# Allegro board RV1106G_COREDLOC_SL_V12_20220907LXF.brd (continued)
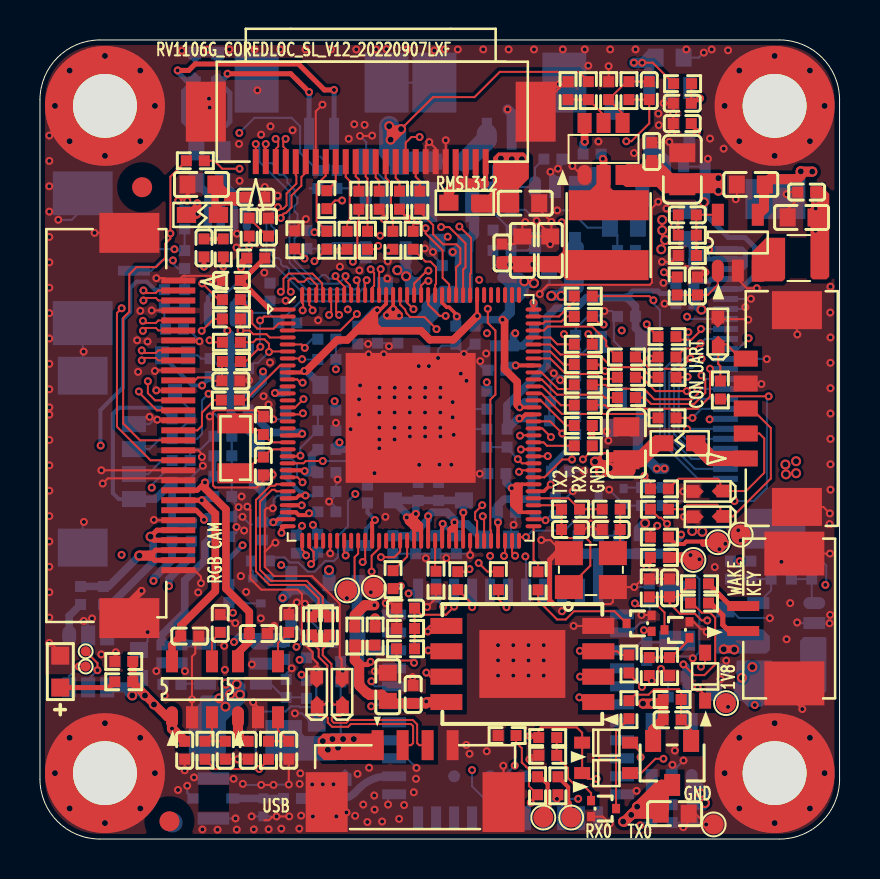
[diagram p0: board, top side]
## Routing (per net, layer and track width the routed paths; a pad name or vN(x,y) marks a point on that pad's centre or on a via; arc(x,y) is an arc through that point) (continued)
HI3861L_UART0_RX: length 4.8
  TOP w0.102: v1(24.55,1.82) 24.89,2.16 R6010.1 24.46,2.65 24.46,3.48 24.33,3.61 24.1,3.84 24.1,4.55 23.82,4.83 R8222.1
  BOTTOM w0.102: v1(24.55,1.82) 24.32,1.59 U6000.38
HI3861L_UART0_TX: length 1.3
  BOTTOM w0.102: v1(25.86,2.01) 25.81,1.96 25.67,1.96 25.67,1.83 25.22,1.38 U6000.37
HI3861L_WAKE_DET: length 10.4
  TOP w0.102: v1(29.76,11.8) 29.89,11.67 30.91,11.67 31.24,11.34 Q2620.3 ; U1000.63 23.62,14.34 v1(23.77,14.18)
  L3_POW w0.102: v1(23.77,14.18) 23.77,14.1 24.3,13.57 27.99,13.57 v1(29.76,11.8)
HI3861L_WAKE_SOCPWR: length 21.9
  TOP w0.102: D2605.1 29.56,4.83 30.05,4.34 v1(30.05,4.1)
  L3_POW w0.102: v1(30.05,4.1) 30.05,4.88 31.23,6.07 31.23,7.29 v1(30.6,7.92) 30.48,8.05 29.99,8.05 28.59,6.65 21.25,6.65 20.49,7.41 20.49,11.31 v1(20.17,11.63)
  BOTTOM w0.102: U6000.13 19.82,11.98 v1(20.17,11.63)
HW_ID: length 3.3
  TOP w0.102: v1(13.03,19.19) 13,19.16 U1000.22
  BOTTOM w0.102: R1206.2 R1207.1 13.03,19.57 v1(13.03,19.19)
I2C3_SCL_M2_DLOC: length 11.4
  TOP w0.102: R4502.1 15.12,29.52 15.04,29.45 v1(14.99,29.45) ; U1000.6 13.08,24.76 v1(13.25,24.59)
  L3_POW w0.102: v1(13.25,24.59) 14.75,24.59 16.24,26.08 16.24,26.63 15.69,27.18 14.54,27.18 14.11,27.61 14.11,29.08 14.42,29.4 14.93,29.4 v1(14.99,29.45)
  BOTTOM w0.102: v1(13.25,24.59) 13.25,24.66 13.61,25.02 R1306.2
I2C3_SDA_M2_DLOC: length 14.4
  TOP w0.102: v1(13.11,24.02) 13.06,24.02 13.02,24.06 U1000.8 ; R4503.1 15.95,30.96 15.88,30.89 15.88,29.12 v1(15.66,28.9)
  L3_POW w0.102: v1(15.66,28.9) 15.66,28.9 15.52,29.04 14.49,29.04 14.35,28.9 14.35,27.7 14.62,27.43 15.77,27.43 16.48,26.72 16.48,25.94 14.89,24.35 13.54,24.35 13.4,24.21 13.38,24.21 13.19,24.02 v1(13.11,24.02)
  BOTTOM w0.102: v1(13.11,24.02) 13.13,24 R1305.2
I2C4_SCL_M2_RGB: length 4.2
  TOP w0.102: U1000.5 11.49,25.11 11.33,25.27 10.67,25.27 10.49,25.45 v1(10.03,25.45) 10.03,25.46 R4700.1
  BOTTOM w0.102: v1(10.03,25.45) 10.43,25.05 R1303.2
I2C4_SDA_M2_RGB: length 4.3
  TOP w0.102: U1000.7 11.58,24.41 11.56,24.38 v1(11.46,24.38) 11.46,24.79 11.23,25.02 10.82,25.02 10.67,24.87 R4701.1
  BOTTOM w0.102: R1302.2 10.71,23.83 10.9,23.83 v1(11.46,24.38)
IR_CAM_FSYNC: length 8.2
  TOP w0.102: v1(17.2,31.04) 17.2,31.3 R4505.1 ; v1(20.07,30.63) 20.47,30.63 21.29,29.82 21.29,28.63 21.17,28.51 U1000.105
  L4_SIG w0.102: v1(17.2,31.04) 17.52,31.04 18.39,30.18 19.61,30.18 v1(20.07,30.63)
IR_CAM_RST: length 5.7
  TOP w0.102: v1(19.29,30.58) 19.29,30.32 20.14,29.46 20.14,28.09 20.47,27.77 U1000.107 ; R4507.1 17.98,31.47 v1(18.36,31.09)
  L4_SIG w0.102: v1(19.29,30.58) 19.27,30.56 18.9,30.56 18.89,30.56 18.72,30.56 18.49,30.78 18.49,30.96 v1(18.36,31.09)
IR_CAM_STROBE: length 12.5
  TOP w0.102: U1000.15 12.77,21.61 v1(13.18,22.02) ; R4506.1 17.48,29.52 v1(17.41,29.46)
  L3_POW w0.102: v1(13.18,22.02) 14.22,23.06 14.22,23.5 14.78,24.05 15.04,24.05 16.79,25.81 18.03,25.81 18.36,26.14 18.36,26.85 18.69,27.18 18.69,28.42 17.66,29.46 v1(17.41,29.46)
IR_CUT-: length 7.1
  TOP w0.254: 5.5,14.19 5.73,13.96 J4700.29 ; J4700.28 5.79,14.46 5.52,14.19
  TOP w0.508: v2(4.97,14.19) 5.52,14.19
  BOTTOM w0.381: R4704.2 C4705.2 3.43,12.64 v2(4.97,14.19)
IRC_AIN: length 30.9
  TOP w0.102: U1000.78 24.03,20.21 v1(24.02,20.19) ; v1(2.88,8.45) 2.88,8.81 TP4701.1
  L4_SIG w0.102: v1(24.02,20.19) 22.56,20.19 21.56,19.19 18.75,19.19 14.77,15.21 12.85,15.21 11.97,14.33 6.04,14.33 4.21,12.49 4.21,9.1 3.56,8.45 v1(2.88,8.45)
  BOTTOM w0.102: v1(2.88,8.45) 2.41,7.99 U4700.5
IRC_BIN: length 31.3
  TOP w0.102: U1000.76 24.06,19.51 v1(24.06,19.5) ; TP4700.1 1.94,8.64 v1(1.94,8.64)
  L4_SIG w0.102: v1(24.06,19.5) 22.24,19.5 21.05,18.3 18.2,18.3 14.86,14.97 12.94,14.97 12.05,14.07 6.16,14.07 4.48,12.39 4.48,8.99 3.55,8.07 2.51,8.07 v1(1.94,8.64)
  BOTTOM w0.102: v1(1.94,8.64) 1.46,8.16 U4700.6
IRCUTA: length 9.3
  TOP w0.254: J4700.27 5.71,14.96 v2(5.53,15.14) 5.85,15.46 J4700.26
  BOTTOM w0.381: U4700.3 3.36,11.55 C4705.1 3.54,11.74 5.67,13.86 5.67,15 v2(5.53,15.14)
IRCUTB: length 1.8
  BOTTOM w0.381: R4704.1 1.46,11.17 U4700.1
LCD_CLK: length 2.4
  TOP w0.102: U1000.85 25.12,22.66 26.06,21.72 R5011.1
LCD_CSN: length 6.1
  TOP w0.102: R5010.2 30.25,22.1 30.57,21.78 32.73,21.78 33.28,22.33 33.28,23.02 v1(33.09,23.21)
  BOTTOM w0.102: J5000.11 33.27,23.03 v1(33.09,23.21)
LCD_D0: length 6.7
  TOP w0.102: U1000.84 25.08,22.31 26.11,21.28 30.33,21.28 30.53,21.08 R5001.1
LCD_D1: length 2.6
  TOP w0.102: U1000.83 25.05,21.96 26.31,20.7 R5007.1
LCD_D2: length 2.3
  TOP w0.102: U1000.90 25.53,24.41 26.19,23.75 R5006.1
LCD_D3: length 6.9
  TOP w0.102: R5005.1 30.58,23.11 30.08,23.62 28.6,23.62 27.97,24.25 26.04,24.25 25.53,24.76 U1000.91
LCD_D4: length 2.2
  TOP w0.102: R5004.1 25.88,24.77 25.54,25.11 U1000.92
LCD_D5: length 5.1
  TOP w0.102: R5003.1 28.33,24.69 28.33,24.95 27.62,25.65 25.4,25.65 25.2,25.46 U1000.93
LCD_D6: length 2.2
  TOP w0.102: U1000.94 25.17,25.81 25.27,25.91 26.09,25.91 26.34,26.16 R5002.1
LCD_D7: length 2.6
  TOP w0.102: U1000.95 25.96,26.16 26.3,26.5 26.3,26.5 26.39,26.59 26.39,26.59 26.73,26.92 R5000.1
LCD_DEN: length 4.6
  TOP w0.102: U1000.89 25.52,24.06 26.3,23.28 27.86,23.28 28.1,23.04 28.81,23.04 R5008.1
LCD_HSYNC: length 2.5
  TOP w0.102: R5009.1 26.52,22.53 25.92,22.53 25.09,23.36 U1000.87
LCD_PWM_BL: length 2.1
  TOP w0.102: U1000.77 25.19,19.86 25.37,19.68 R5012.1
LCD_PWREN_H: length 24.1
  TOP w0.102: v1(22.4,26.54) 22.4,25.83 22.78,25.45 22.78,22.25 22.53,22 22.53,15.47 22.57,15.43 U1000.60 ; v1(30.36,25.77) 30.36,25.71 R5014.1
  L3_POW w0.102: v1(21.97,27.99) 22.78,27.18 23.67,27.18 24.33,26.52 26.01,26.52 26.49,27 29.13,27 v1(30.36,25.77)
  L4_SIG w0.102: v1(22.4,26.54) 21.97,26.97 v1(21.97,27.99)
LCD_RDN: length 5
  TOP w0.102: v1(32.36,22.42) 30.79,22.42 30.1,23.11 R5008.2
  BOTTOM w0.102: v1(32.36,22.42) 32.75,22.03 J5000.9
LCD_RS: length 8.4
  TOP w0.102: R5011.2 28.27,21.72 28.45,21.54 32.91,21.54 33.52,22.15 v1(33.52,23.54)
  BOTTOM w0.102: v1(33.52,23.54) 33.53,23.53 J5000.12
LCD_RST_L: length 11
  TOP w0.102: U1000.72 25.23,18.11 26.13,19 v1(26.62,19) ; v1(30.52,24.05) 30.6,24.13 R5013.1
  L3_POW w0.102: v1(26.62,19) 26.76,19.14 26.76,22.93 27.96,24.13 30.45,24.13 v1(30.52,24.05)
LCD_VSYNC: length 4.6
  TOP w0.102: U1000.86 25.1,23.01 25.87,22.24 28.1,22.24 28.24,22.1 R5010.1
LCD_WRN: length 7.3
  TOP w0.102: R5009.2 28.3,22.73 28.48,22.54 30.21,22.54 30.73,22.02 32.63,22.02 32.9,22.29 32.9,22.52 v1(32.89,22.53)
  BOTTOM w0.102: v1(32.89,22.53) J5000.10
LI-VBAT: length 1.9
  BOTTOM w1.016: J2502.1 22.35,35.01 FB2510.2
LINEOUT: length 24.8
  TOP w0.203: U1000.29 v1(13.09,16.71) ; C7002.1 v1(8.2,28.65)
  L3_POW w0.203: v1(8.2,28.65) 7.37,28.65 7,28.29 6.23,28.29 5.96,28.57 4.5,28.57 3.47,27.54 3.47,22.24 4.1,21.61 9.77,21.61 11.27,20.11 11.27,19.26 12.31,18.22 12.31,17.47 13.07,16.71 v1(13.09,16.71)
MCU_WAKE/EN_PWR: length 31.6
  TOP w0.102: v1(31.19,4.02) 30.79,4.02 30.07,3.3 D2600.1 ; R2520.1 34.37,22.03 34.5,22.16 v1(36.45,22.16)
  L3_POW w0.102: v1(31.19,4.02) 31.19,4.54 32.79,6.15 34.6,6.15 36.13,7.67 36.13,16.07 35.28,16.92 v1(34.74,16.92)
  BOTTOM w0.102: v1(36.45,22.16) 36.37,22.08 36.37,17.58 35.7,16.92 v1(34.74,16.92) 32.03,16.92 31.81,16.69 R2623.1
MCU_WAKE_DET: length 4.9
  TOP w0.102: v1(24.31,15.11) 24.07,15.11 23.97,15.01 U1000.64
  BOTTOM w0.102: v1(24.31,15.11) 24.64,15.44 26.25,15.44 Q2621.3
MIC0_N: length 1.3
  TOP w0.102: v1(13.31,14.2) 13.31,14.3 13.12,14.49 U1000.33
  BOTTOM w0.102: C1001.1 13.2,14.31 v1(13.31,14.2)
MIC0_P: length 2
  TOP w0.102: v1(13.56,13.77) 13.69,13.89 13.69,14.38 13.47,14.6 U1000.34
  BOTTOM w0.102: C1000.1 13.89,14.1 v1(13.56,13.77)
MICIN_N: length 29.2
  L3_POW w0.102: v1(6.72,29.52) 6.55,29.35 4.03,29.35 2.6,27.93 2.6,21.69 3.95,20.34 9.88,20.34 10.46,19.76 10.46,18.32 v1(13.11,15.68)
  BOTTOM w0.102: C1001.2 12.83,15.4 v1(13.11,15.68) ; J7001.2 5.76,29.7 5.93,29.52 v1(6.72,29.52) 6.79,29.46 C7008.2 R7004.1
MICIN_P: length 29.3
  L3_POW w0.102: v1(13.66,15.73) 13.59,15.73 13.26,16.06 13.06,16.06 10.7,18.42 10.7,19.86 9.97,20.58 4.05,20.58 2.84,21.78 2.84,27.83 4.13,29.12 6.5,29.12 v1(6.65,28.96)
  BOTTOM w0.102: v1(13.66,15.73) 13.89,15.49 C1000.2 ; R7003.1 C7008.1 6.9,28.56 6.65,28.81 v1(6.65,28.96) 6.08,28.96 5.57,28.45 J7001.1
MIPI/LVDS_CLK0N: length 13.2
  TOP w0.097: v1(12.05,27.39) 12.08,27.39 12.18,27.49 12.18,28.05 12.44,28.31 13.63,28.31 14.12,27.82 14.12,27.28 U1000.125 ; v1(5.18,26.96) 5.3,27.08 5.8,27.08 5.92,26.96 J4700.3
  L3_POW w0.097: v1(5.18,26.96) 5.3,27.08 7.78,27.08 7.89,27.19 11.15,27.19 11.74,27.77 12.08,27.77 12.18,27.68 12.18,27.49 12.08,27.39 v1(12.05,27.39)
MIPI/LVDS_CLK0P: length 13.1
  TOP w0.097: J4700.2 5.92,27.46 5.8,27.33 5.3,27.33 v1(5.18,27.46) ; U1000.126 13.87,27.28 13.87,27.71 13.52,28.06 13.37,28.06 13.21,27.9 12.91,27.9 12.75,28.06 12.54,28.06 12.43,27.94 12.43,27.49 12.52,27.39 v1(12.55,27.39)
  L3_POW w0.097: v1(12.55,27.39) 12.53,27.39 12.42,27.5 12.42,27.78 12.18,28.02 11.63,28.02 11.05,27.44 10.79,27.44 10.64,27.59 10.39,27.59 10.24,27.44 9.98,27.44 9.83,27.59 9.58,27.59 9.42,27.44 7.79,27.44 7.68,27.33 5.3,27.33 v1(5.18,27.46)
MIPI/LVDS_CLK1N: length 12.7
  TOP w0.097: v1(16.34,27.98) 16.35,27.98 16.27,27.9 U1000.119 ; J4500.5 12.79,33.22 12.83,33.19 12.83,32.81 12.34,32.32 12.34,31.72 12.17,31.56 12.07,31.53 v1(11.9,31.63)
  BOTTOM w0.097: v1(16.34,27.98) 16.22,27.85 16.22,27.61 15.87,27.26 13.22,27.26 11.33,29.15 11.33,31.06 v1(11.9,31.63)
MIPI/LVDS_CLK1P: length 12.6
  TOP w0.097: U1000.120 15.92,27.9 15.85,27.98 v1(15.84,27.98) ; v1(12.05,31.09) 12.17,31.3 12.3,31.34 12.58,31.62 12.58,32.21 13.08,32.7 13.08,33.13 13.29,33.35 J4500.6
  BOTTOM w0.097: v1(15.84,27.98) 15.97,27.85 15.97,27.71 15.76,27.51 15.58,27.51 15.42,27.67 15.26,27.67 15.1,27.51 13.33,27.51 12.45,28.38 12.45,28.54 12.33,28.66 12.17,28.66 12.06,28.78 12.06,28.96 11.93,29.09 11.75,29.09 11.58,29.25 11.58,29.36 11.75,29.53 11.75,29.75 11.58,29.92 11.58,30.14 11.73,30.29 11.73,30.55 11.58,30.7 11.58,30.95 11.81,31.19 11.95,31.19 v1(12.05,31.09)
MIPI/LVDS_D0N: length 12.1
  TOP w0.097: v1(13.64,26.46) 13.64,26.57 13.47,26.74 U1000.127 ; J4700.6 5.92,25.46 5.8,25.58 5.29,25.58 v1(5.15,25.44)
  L3_POW w0.097: v1(5.15,25.44) 5.29,25.58 6.42,25.58 6.93,26.09 8.48,26.09 8.75,26.36 11.48,26.36 11.94,25.89 13.24,25.89 13.48,26.13 13.48,26.3 v1(13.64,26.46)
MIPI/LVDS_D0P: length 12.1
  TOP w0.097: U1000.128 13.12,26.83 13.17,26.78 13.17,26.49 v1(13.14,26.46) ; J4700.5 5.92,25.96 5.8,25.83 5.26,25.83 v1(5.15,25.94)
  L3_POW w0.097: v1(13.14,26.46) 13.23,26.37 13.23,26.24 13.13,26.14 12.88,26.14 12.73,26.29 12.47,26.29 12.32,26.14 12.04,26.14 11.58,26.6 11.33,26.6 11.17,26.76 10.92,26.76 10.77,26.6 10.51,26.6 10.36,26.76 10.11,26.76 9.95,26.6 9.7,26.6 9.55,26.76 9.29,26.76 9.14,26.6 8.64,26.6 8.38,26.34 6.83,26.34 6.32,25.83 5.26,25.83 v1(5.15,25.94)
MIPI/LVDS_D1N: length 14
  TOP w0.097: J4700.9 5.92,23.96 5.8,24.08 5.22,24.08 v1(5.09,23.96) ; U1000.123 14.82,27.18 14.82,26.38 v1(14.96,26.24)
  L3_POW w0.097: v1(14.96,26.24) 14.84,26.11 14.84,25.85 14.26,25.27 10.95,25.27 9.76,24.08 5.22,24.08 v1(5.09,23.96)
MIPI/LVDS_D1P: length 13.9
  TOP w0.097: v1(5.09,24.46) 5.22,24.33 5.8,24.33 5.92,24.46 J4700.8 ; U1000.124 14.57,27.18 14.57,26.33 14.47,26.24 v1(14.46,26.24)
  L3_POW w0.097: v1(5.09,24.46) 5.22,24.33 6.55,24.33 6.7,24.48 6.95,24.48 7.11,24.33 7.36,24.33 7.51,24.48 7.77,24.48 7.92,24.33 8.17,24.33 8.33,24.48 8.58,24.48 8.73,24.33 9.65,24.33 10.84,25.52 14.16,25.52 14.59,25.95 14.59,26.11 v1(14.46,26.24)
MIPI/LVDS_D2N: length 12
  TOP w0.097: v1(15.29,28.18) 15.29,27.95 15.52,27.72 15.52,27.58 15.57,27.53 U1000.121 ; v1(10.79,34.79) J4500.1
  BOTTOM w0.097: v1(15.29,28.18) 15.21,28.18 15.16,28.13 15.16,28.03 14.94,27.81 14.83,27.81 14.83,27.8 13.53,27.8 12.48,28.86 12.48,32.4 10.97,33.91 10.97,34.59 10.95,34.64 v1(10.79,34.79)
MIPI/LVDS_D2P: length 12
  TOP w0.097: v1(14.79,28.18) 14.79,28.1 15.27,27.61 15.27,27.58 15.22,27.53 U1000.122 ; J4500.2 11.29,34.54 11.24,34.6 11.24,34.73 v1(11.3,34.79)
  BOTTOM w0.097: v1(11.3,34.79) 11.22,34.72 11.22,34.01 11.4,33.83 11.62,33.83 11.79,33.65 11.79,33.44 11.97,33.26 12.19,33.26 12.37,33.08 12.37,32.86 12.73,32.5 12.73,32.24 12.88,32.09 12.88,31.84 12.73,31.69 12.73,31.43 12.88,31.28 12.88,31.03 12.73,30.87 12.73,30.62 12.88,30.47 12.88,30.21 12.73,30.06 12.73,29.81 12.88,29.65 12.88,29.4 12.73,29.25 12.73,28.96 13.64,28.05 13.94,28.05 14.11,28.23 14.28,28.23 14.46,28.05 14.69,28.05 14.79,28.15 v1(14.79,28.18)
MIPI/LVDS_D3N: length 14.1
  TOP w0.097: v1(11.79,35.05) 11.92,34.92 11.92,34.67 11.79,34.54 J4500.3 ; v1(17.04,28.53) 16.97,28.45 U1000.117
  L3_POW w0.097: v1(17.04,28.53) 16.92,28.66 16.92,28.99 14.23,31.67 14.23,35.31 13.37,36.17 12.37,36.17 11.91,35.72 11.91,35.17 v1(11.79,35.05)
MIPI/LVDS_D3P: length 14
  TOP w0.097: v1(12.29,35.05) 12.17,34.93 12.17,34.66 12.29,34.54 J4500.4 ; v1(16.54,28.52) 16.72,28.34 16.72,27.7 16.62,27.6 U1000.118
  L3_POW w0.097: v1(16.54,28.52) 16.67,28.64 16.67,28.89 15.71,29.84 15.49,29.84 15.31,30.02 15.31,30.24 15.13,30.42 14.92,30.42 14.74,30.6 14.74,30.81 14.56,30.99 14.34,30.99 14.17,31.17 14.17,31.39 13.99,31.57 13.99,32.77 13.93,32.83 13.93,33.27 13.99,33.33 13.99,33.58 13.83,33.74 13.83,33.99 13.99,34.14 13.99,34.4 13.83,34.55 13.83,34.8 13.99,34.95 13.99,35.21 13.27,35.92 12.47,35.92 12.16,35.61 12.16,35.17 v1(12.29,35.05)
MIPI/LVDS_MCLK0: length 4.1
  TOP w0.102: v1(11.01,25.96) 11.21,26.16 U1000.2 ; R4706.1 10.29,23.9 v1(11.02,24.64)
  BOTTOM w0.102: v1(11.02,24.64) 11.01,24.65 v1(11.01,25.96)
MIPI/LVDS_MCLK1: length 8.9
  TOP w0.102: R4500.1 14.33,29.52 v1(13.73,28.93) ; v1(15.85,26.28) 15.03,25.46 U1000.4
  L3_POW w0.102: v1(15.85,26.28) 15.89,26.32 15.89,26.59 15.56,26.93 14.46,26.93 13.72,27.67 13.72,28.91 v1(13.73,28.93)
MIPI_CLK0_RGB: length 3.3
  TOP w0.102: J4700.11 7.75,22.96 7.9,23.1 8.51,23.1 8.68,22.94 C4707.1 9.1,23.88 R4706.2
MIPI_CSI_AVDD_1V8: length 4.7
  TOP w0.203: U1000.1 11.48,26.51
  TOP w0.254: R1304.1 10.28,28.12 10.18,28.12 C1302.1 11.48,26.51
MIPI_CSI_PWDN0: length 3.1
  TOP w0.102: U1000.9 12.01,23.71 10.27,21.97 R4702.1
MIPI_CSI_RST0: length 3.4
  TOP w0.102: U1000.3 11.94,25.81 11.68,25.55 10.88,25.55 10.62,25.81 10.62,26.41 R4703.1
MIPIDLOC_PWREN: length 23.5
  TOP w0.102: U1000.75 25.39,19.16 v1(25.4,19.17) ; R4504.1 16.75,29.52 v1(16.92,29.69)
  L4_SIG w0.102: v1(25.4,19.17) 25.13,19.44 25.13,22.29 24.48,22.93 23.43,22.93 23.09,23.27 23.09,24.33 22.69,24.73 22.27,24.73 21.54,25.46 21.54,26.39 21.07,26.86 19.14,26.86 18.87,27.12 15.1,27.12 14.28,27.95 14.28,29.64 14.64,30.01 16.6,30.01 v1(16.92,29.69)
Net_2: length 2
  BOTTOM w0.102: 34.29,26.03 32.47,26.03 32.37,26.14 v1(32.37,26.15)
NPOR: length 1.8
  TOP w0.102: U1000.66 25.24,16.01 v1(25.29,15.96)
  BOTTOM w0.102: R1102.2 24.97,16.19 25.19,15.96 v1(25.29,15.96) 25.52,16.19 C1106.1
PIR_DLINK_OUT: length 2.2
  BOTTOM w0.102: R8202.1 6.1,18.95 5.42,18.27 J8200.2
PIR_SERIAL_IN: length 5.1
  BOTTOM w0.102: Q8200.3 6.76,22.25 7.51,21.5 R8218.2 7.51,21 6.61,20.1 R8204.1 6,20.04 5.48,19.52 J8200.3
POW_HOLD: length 14.1
  TOP w0.102: v1(23.22,14.17) 23.27,14.22 U1000.62 ; v1(33.07,8.63) 33.27,8.83 D2603.1
  L3_POW w0.102: v1(33.07,8.63) 33.07,9.33 31.56,10.84 29.92,10.84 27.46,13.3 24.09,13.3 v1(23.22,14.17)
PRO_PD_DET: length 17.9
  TOP w0.102: R4501.1 14.76,31.97 v1(15.11,31.97) ; U1000.16 13.1,21.26 v1(13.16,21.31)
  L3_POW w0.102: v1(15.11,31.97) 15.63,31.97 16.99,30.61 17.3,30.61 19.02,28.88 19.02,25.45 17.4,23.83 15.67,23.83 v1(13.16,21.31)
RECOVERY: length 3.6
  TOP w0.102: U1000.23 12.86,18.81 12.87,18.81 13.18,18.81 13.29,18.92 v1(14.15,18.92)
  BOTTOM w0.102: v1(14.15,18.92) 15.36,18.92 15.5,18.79 R1205.1
RGB_CAM_FSYNC: length 25.1
  TOP w0.102: R4705.1 8.72,33.95 9.12,33.55 v1(9.98,33.55) ; U1000.104 21.52,28.29 21.56,28.34 21.56,30.08 20.99,30.66 v1(20.98,30.66)
  L4_SIG w0.102: v1(9.98,33.55) 9.3,34.24 9.3,35.79 9.88,36.37 19.81,36.37 20.98,35.2 v1(20.98,30.66)
RK803_EN1_FLOOD: length 5.6
  TOP w0.102: U1000.106 20.82,28.61 21.03,28.83 21.03,29.57 20.83,29.77 20.17,29.77 19.67,30.27 19.67,30.73 19,31.4 R4509.1
RK803_EN2_PRO: length 2.9
  TOP w0.102: U1000.109 19.77,27.74 19.81,27.79 19.81,28.63 19.53,28.91 19.29,28.91 R4508.1
SDIO_CLK: length 1.9
  TOP w0.102: v1(23.34,11.61) 22.93,12.01 R6007.2
  BOTTOM w0.102: v1(23.34,11.61) 23.42,11.69 U6000.17
SDIO_CMD: length 25.1
  TOP w0.102: U1000.112 18.72,27.81 19.35,28.45 v1(19.43,28.45)
  L3_POW w0.102: v1(22.52,14.17) 21.83,14.86 18.44,14.86 17.68,15.62 17.68,18.9 18.54,19.76 20.85,19.76 21.08,19.99 21.08,22.17 20.35,22.91 20.35,25.58 19.89,26.04 19.89,27.38 19.94,27.43 19.94,27.99 19.48,28.45 v1(19.43,28.45)
  BOTTOM w0.102: v1(22.52,14.17) U6000.16
SDIO_D0: length 24.1
  TOP w0.102: U1000.110 19.42,26.76 19.99,26.19 v1(20.29,26.19)
  L3_POW w0.102: v1(24.28,14.15) 24.28,14.25 23.95,14.58 22.53,14.58 21.97,15.14 18.54,15.14 17.96,15.72 17.96,18.72 18.67,19.43 21.06,19.43 21.44,19.81 21.44,22.28 20.65,23.06 20.65,25.65 20.29,26.01 v1(20.29,26.19)
  BOTTOM w0.102: v1(24.28,14.15) 24.32,14.11 U6000.18
SPK_CTRL: length 10
  TOP w0.102: v1(18.69,26.52) 18.37,26.84 U1000.113
  BOTTOM w0.102: U7000.1 10.48,26.3 10.52,26.34 11.44,26.34 R7010.2 13.03,26.92 18.29,26.92 v1(18.69,26.52)
SPKN_OUT: length 11.5
  TOP w0.254: v1(13.46,37.39) 12.54,38.31 v1(9.38,38.31)
  BOTTOM w0.254: J7000.1 v1(13.46,37.39) ; FB7002.2 8.99,34.61 C7005.1 9.29,35.71 9.5,35.91 9.5,37.34 ED7000.1 9.13,37.97 9.38,38.23 v1(9.38,38.31)
SPKP_OUT: length 16.2
  TOP w0.254: v1(14.71,37.5) 14.23,37.5 12.93,38.8 7.76,38.8 7.44,38.47 v1(6.89,38.47)
  BOTTOM w0.254: v1(6.89,38.47) 6.89,38.4 7.31,37.97 ED7001.1 7.19,37.44 7.19,35.93 7.41,35.71 C7004.1 7.98,34.61 FB7001.2 ; v1(14.71,37.5) 14.71,37.5 J7000.2
UART0_RX_M0: length 16.8
  TOP w0.102: U1000.58 21.87,15.9 21.77,16 21.77,16.36 v1(22.12,16.71) ; R2506.1 30.96,16.08 31.07,16.08 v1(31.37,15.78)
  L3_POW w0.102: v1(22.12,16.71) 22.15,16.69 25.54,16.69 27.46,14.77 28.63,14.77 30.58,12.81 31.02,12.81 31.42,13.21 31.42,15.7 31.37,15.75 v1(31.37,15.78)
UART0_TX_M0: length 19.3
  TOP w0.102: v1(30.24,18.18) 30.54,17.89 R2505.1 ; v1(22.15,16.16) 22.22,16.09 U1000.59
  L3_POW w0.102: 24.68,16.45 24.68,16.45 ; 24.68,16.45 22.45,16.45 v1(22.15,16.16) ; 24.68,16.45 25.44,16.45 27.36,14.53 28.53,14.53 30.48,12.57 31.2,12.57 31.66,13.03 31.66,15.51 31.8,15.65 31.8,15.65 31.83,15.69 31.83,15.72 31.84,15.73 31.84,16.3 30.24,17.9 v1(30.24,18.18)
UART2_RX: length 11.4
  TOP w0.102: R1109.1 30.54,15.41 30.81,15.68 v1(30.88,15.68) ; U1000.80 25.52,20.91 v1(26.13,20.3)
  L3_POW w0.102: v1(26.13,20.3) 26.02,20.19 26.02,18.68 26.23,18.46 26.23,17.03 26.57,16.69 27.96,16.69 29.41,15.24 30.37,15.24 30.81,15.68 v1(30.88,15.68)
UART2_TX: length 11.3
  TOP w0.102: v1(30.34,13.61) 30.54,13.8 R1108.1 ; v1(25.56,20.12) 25.12,20.56 U1000.79
  L3_POW w0.102: v1(25.56,20.12) 25.78,19.9 25.78,18.58 26,18.37 26,16.93 26.48,16.45 27.86,16.45 29.31,15 29.92,15 30.34,14.58 v1(30.34,13.61)
UART_RX: length 10.7
  TOP w0.102: R2506.2 32.16,16.51 32.38,16.73 33.88,16.73 34.04,16.57 ED2511.1 34.66,16.15 36.56,18.05 36.56,20.58 35.59,21.55 J2501.3
UART_RX_DEBUG: length 2.7
  TOP w0.203: R1109.2 31.78,14.77 32.21,14.77 32.33,14.89 33.12,14.89 33.2,14.81
  TOP w0.381: TP1102.1 33.86,14.81 33.2,14.81
  vias: v1(33.99,14.51) v1(34.29,14.78)
UART_TX: length 8.7
  TOP w0.102: J2501.2 35.99,20.3 36.23,20.05 36.23,18.33 35.32,17.42 ED2512.1 34.04,17.43 ; 34.04,17.43 34.04,17.91 33.91,18.03 31.95,18.03 R2505.2 ; 34.04,17.43 34.06,17.45
UART_TX_DEBUG: length 1.8
  TOP w0.203: 32.77,14.22 32.64,14.1 ; 32.43,14.1 v1(32.54,14.21)
  TOP w0.508: R1108.2 32.56,14.1 ; 32.56,14.1 32.65,14.1 32.73,14.17 ; 32.56,14.1 TP1103.1
  vias: v1(32.99,14)
USB_DET: length 2.6
  TOP w0.102: U1000.25 12.89,18.11 v1(13.13,17.86)
  BOTTOM w0.102: v1(13.13,17.86) 12.85,18.14 12.85,18.77 12.38,19.25 R1010.2
USB_DM: length 10
  TOP w0.102: U1000.26 11.82,17.76 11.74,17.68 11.51,17.68 10.8,16.97 10.8,13.39 11.48,12.72 13.26,12.72 13.94,12.04 13.94,11.81 13.77,11.63 FB2500.1
USB_DM_CON: length 11.2
  TOP w0.102: J2500.2 18.56,4.7 18.66,4.8 18.66,5.66 18.56,5.76 15.55,5.76 15.41,5.62 14.62,5.62 14.4,5.84 14.4,6.06 14.29,6.17 13.96,6.17 13.86,6.27 ED2501.1 14.22,6.73 14.38,6.89 14.38,8.68 13.94,9.12 13.94,9.5 13.77,9.68 FB2500.2
USB_DP: length 9.6
  TOP w0.102: FB2500.3 14.32,11.61 14.15,11.79 14.15,12.12 13.34,12.92 11.56,12.92 11.01,13.48 11.01,16.89 11.6,17.48 11.74,17.48 11.82,17.41 U1000.27
USB_DP_CON: length 11.3
  TOP w0.102: J2500.3 18.97,4.7 18.87,4.8 18.87,5.74 18.65,5.96 15.46,5.96 15.32,5.82 14.7,5.82 14.6,5.92 14.6,6.06 14.7,6.17 15.03,6.17 15.13,6.27 ED2500.1 14.7,6.73 14.58,6.85 14.58,8.77 14.15,9.2 14.15,9.5 14.32,9.68 FB2500.4
WIFI_REG_ON: length 22.8
  TOP w0.102: v1(19.84,25.53) 19.23,26.13 18.52,26.13 18.34,26.32 18.26,26.51 18.02,26.76 U1000.114
  L3_POW w0.102: v1(19.84,25.53) 17.63,23.32 15.88,23.32 15.14,22.58 15.14,21.87 14.17,20.9 14.17,20.1 15.77,18.5 v1(15.77,17.27)
  BOTTOM w0.102: v1(15.77,17.27) 15.4,16.9 15.4,15.66 14.91,15.16 14.91,14.12 14.71,13.92 14.27,13.92 13.74,13.39 13.39,13.39 12.93,13.84 12.5,13.84 12.24,14.1 11.65,14.1 R6003.1
WIFI_UART0_RX: length 3.1
  TOP w0.203: TP4703.1 25.4,1.29 25.4,2.75 25.03,3.12 R6010.2
  TOP w0.381: TP4703.1 25.18,1.43 25.4,1.65
WIFI_UART0_TX: length 2.3
  TOP w0.203: 26.42,1.77 26.42,2.6 R6011.2
  TOP w0.381: 26.42,1.77 26.42,1.23 TP4704.1
WIFI_WAKE_HOST: length 20.8
  TOP w0.102: v1(13.14,22.85) 13.03,22.85 12.87,23.01 U1000.11
  L3_POW w0.102: v1(16.58,7.9) 16.52,7.9 16.08,8.34 16.08,10.01 14.47,11.62 14.47,12.51 14.91,12.95 14.91,14.45 14.59,14.78 14.59,16.09 15.11,16.61 15.11,17.17 14.5,17.78 14.5,18.12 13.83,18.79 13.83,19.04 13.31,19.56 12.67,19.56 12.2,20.03 12.2,22.42 12.63,22.85 v1(13.14,22.85)
  BOTTOM w0.102: v1(16.58,7.9) 16.66,7.82 16.66,7.74 16.76,7.64 U6000.7
N17201541: length 3.1
  TOP w0.102: R2008.1 R2005.2 C2009.2 32.84,31.25 U2002.5
N17201579: length 2.9
  TOP w0.102: U2002.1 33.91,27.74 33.41,27.24 C2014.1 R2006.2
N17308561: length 1.3
  TOP w0.102: R7000.1 11.36,30.18 C7001.2
N17308563: length 2.7
  BOTTOM w0.102: U7000.2 9.7,27 9.91,27.2 10.85,27.2 11.12,26.93 C7000.2
N17308575: length 1
  TOP w0.203: C7002.2 R7001.1
N17308596: length 2
  BOTTOM w0.381: U7000.5 8.4,32.28 FB7001.1
N17308598: length 2.3
  BOTTOM w0.381: U7000.8 10.35,31.65 FB7002.1
N17457783: length 3.8
  BOTTOM w0.102: R2007.1 22.66,31.38 R2004.2 C2006.2 24.39,29.46 U2001.5
N17457825: length 2.8
  BOTTOM w0.102: C2013.1 24.77,33.6 U2001.1 R2003.2
N17460103: length 1.3
  TOP w0.102: C2004.1 32.58,35.67 v1(32.87,35.39)
  BOTTOM w0.102: U2000.4 32.48,35 v1(32.87,35.39)
N17460119: length 2.3
  TOP w0.102: R2001.2 32.58,37.8 C2003.1 32.77,36.83 v1(33.02,37.08)
  BOTTOM w0.102: U2000.3 32.5,37.59 v1(33.02,37.08)
N17515692: length 7.1
  TOP w0.102: U1000.68 25.9,16.71 R1101.2 C1101.2 26.09,15.14 26.17,15.06 27.33,15.06 27.53,14.86 27.53,13.68 Y1100.1
N17515707: length 3.7
  TOP w0.102: U1000.69 26.45,17.06 R1101.1 R1100.1
N17515711: length 0.8
  TOP w0.203: U1000.96 24.69,26.51 v1(24.69,26.85)
  BOTTOM w0.381: FB1100.1 24.71,26.8 24.69,26.82 v1(24.69,26.85)
N17518107: length 1.8
  TOP w0.102: U1000.48 18.37,14.14 R1200.1
N17530509: length 1.5
  BOTTOM w0.102: U2003.4 27.71,24.89 27.13,24.31 C2023.1
N17531664: length 2.5
  BOTTOM w0.102: U2003.3 26.99,22.09 C2022.1 R2010.2
N17684812: length 2.3
  TOP w0.102: R1100.2 C1100.1 29.03,14.68 Y1100.3
N17748580: length 3
  BOTTOM w0.102: U6000.25 29.64,9.44 30.05,9.85 C6006.1 31.8,9.85 Y6000.1
N17748786: length 4.1
  BOTTOM w0.102: U6000.24 29.54,10.34 30.04,10.84 30.23,10.84 30.24,10.85 30.31,10.85 30.5,11.05 30.5,11.85 C6007.1 30.49,11.87 30.7,12.08 31.53,12.08 Y6000.2
N17757041: length 1.6
  TOP w0.102: R4509.2 19,32.94 18.8,33.15 J4500.17
N17757236: length 6.7
  TOP w0.102: v1(18.87,30.94) 18.67,30.73 R4508.2 ; J4500.16 18.3,34.86 18.58,35.14 v1(18.99,35.14)
  L4_SIG w0.102: v1(18.87,30.94) 18.74,31.06 18.74,34.89 v1(18.99,35.14)
N17757607: length 1.6
  TOP w0.102: R4507.2 17.98,32.91 17.8,33.1 J4500.15
N17758717: length 0.8
  TOP w0.381: U7001.2 28.19,34.02 v1(28.16,34.05)
N17758729: length 3.9
  TOP w0.102: U7001.4 29.14,36.32 R2510.1 29.35,37.92 R2507.2 C2507.2
N17760994: length 2.1
  BOTTOM w0.102: R7003.2 R7002.2 6.22,25.58 C7007.1
N17763668: length 25.9
  TOP w0.102: R6007.1 22.38,13.39 v1(21.95,13.82) ; v1(19.43,27.94) 19.38,27.89 19.25,27.89 19.07,27.7 U1000.111
  L3_POW w0.102: v1(19.43,27.94) 19.28,27.79 19.28,25.35 17.5,23.57 15.75,23.57 13.92,21.74 13.92,20.02 15.37,18.57 15.37,15.75 16.51,14.61 21.67,14.61 21.95,14.33 v1(21.95,13.82)
N17764750: length 7
  TOP w0.254: J4500.24 22.3,32.9 22.21,32.81 ; J4500.22 21.3,32.87 21.24,32.82 ; 20.84,32.82 20.8,32.87 J4500.21 ; 21.75,32.82 21.8,32.86 J4500.23
  TOP w0.508: 22.21,32.81 22.2,32.82 20.84,32.82 20.45,32.42 FB4500.2
N17768404: length 2.5
  TOP w0.102: R2509.1 R2508.2 28.19,36.25 U7001.5
N17771919: length 1.2
  BOTTOM w0.102: C4719.1 7.09,7.78 U4703.4
N17772391: length 1.7
  TOP w0.102: U4701.4 11.91,9.8 C4710.1
N17772975: length 1.6
  TOP w0.102: U4702.4 8.6,9.93 C4717.1
